# Altium PCB PCB1.PcbDoc
Units mil, origin at the board's own origin, x right, y up, seen from the top; angles counter-clockwise.
Board outline 5905.51 x 3150 mil, 2 copper layers (Top Layer, Bottom Layer); 83 components, 88 nets, 317 pads, 133 vias.
Unrouted connection lines stored in the file: 1.
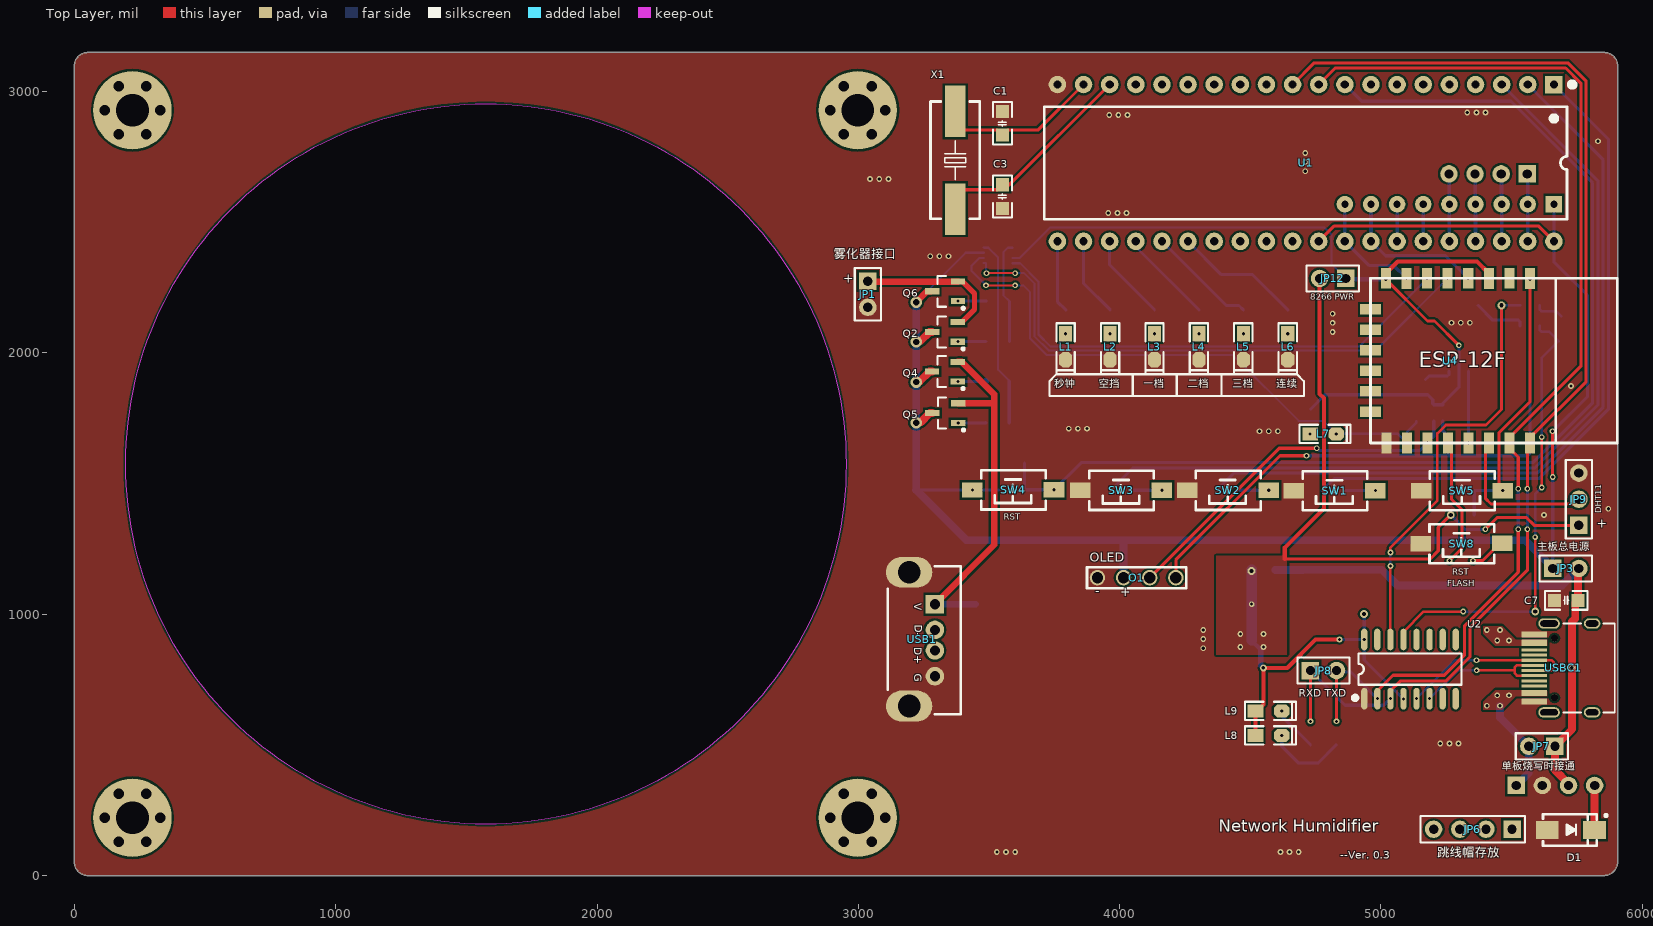
[diagram p0: Top Layer view]
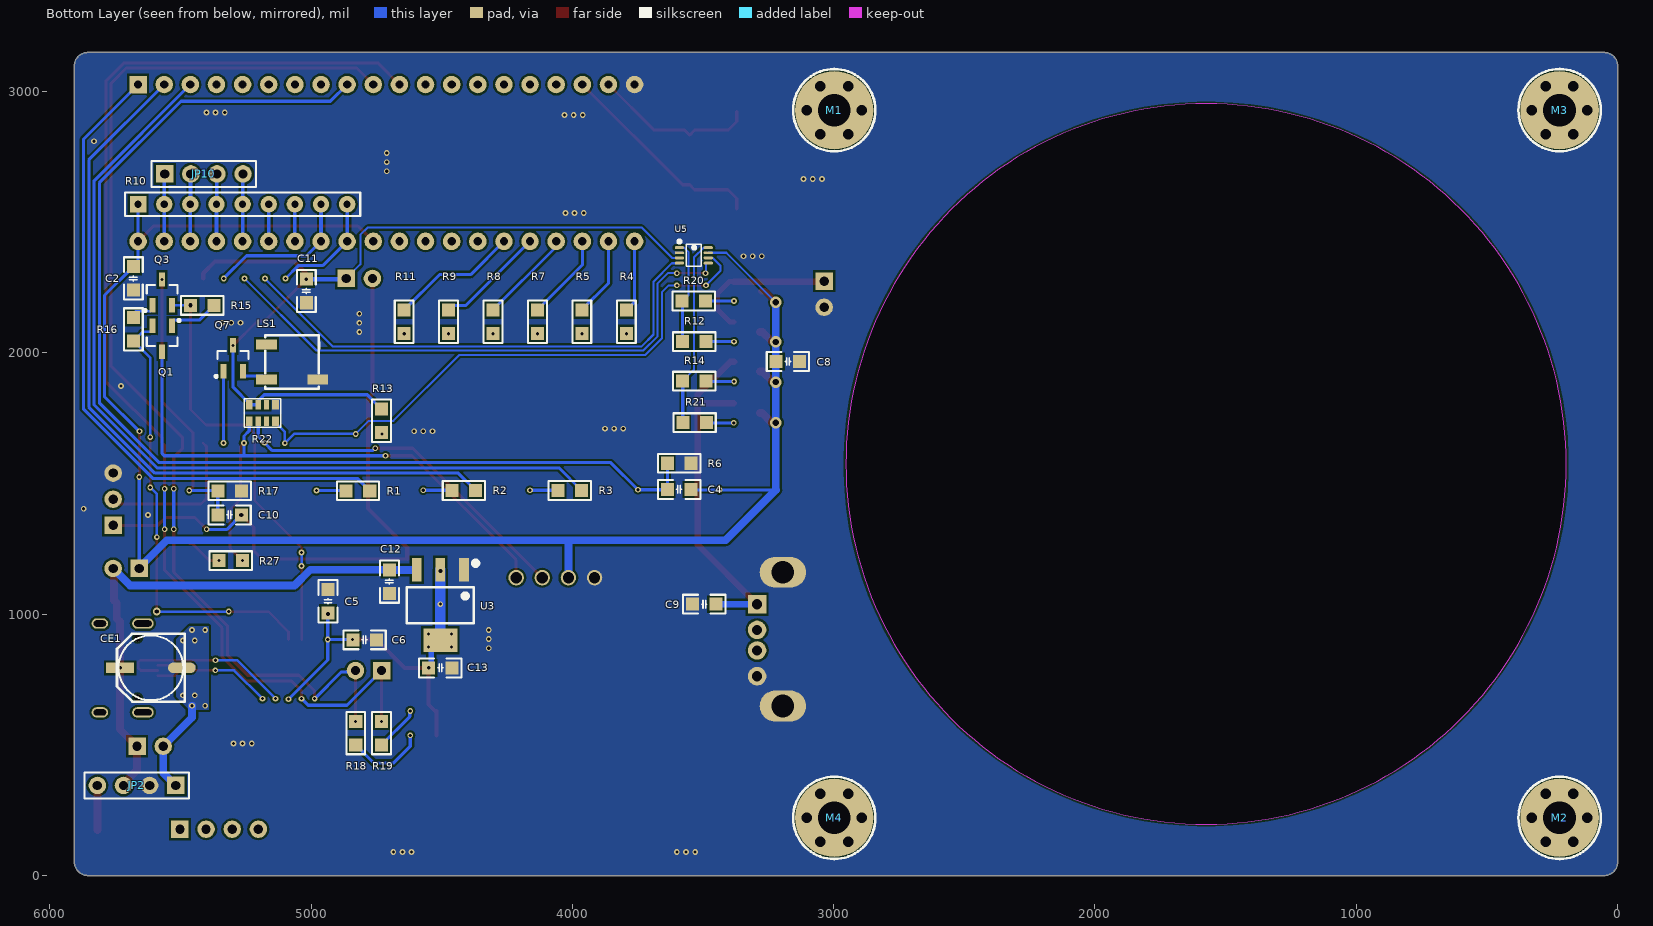
[diagram p1: Bottom Layer view, seen from below]

## Layer stack, top to bottom
Top Solder: solder mask 0.4, Solder Resist, Dk 3.5
Top Layer: signal copper 1.4
Dielectric 1: dielectric 12.6, FR-4, Dk 4.8
Bottom Layer: signal copper 1.4
Bottom Solder: solder mask 0.4, Solder Resist, Dk 3.5

## Board outline
50,0 cw(c50,50) 0,50 0,3099.61 cw(c50,3099.61) 50,3149.61 50.39,3150 5855.12,3150 5855.51,3149.61 cw(c5855.51,3099.61) 5905.51,3099.61 5905.51,50.21 5905.3,50 cw(c5855.3,50) 5855.3,0
cut-out: 1574.8,196.42 cw(c1574.8,1574.8) 196.42,1574.8 cw(c1574.8,1574.8) 1574.8,2953.18 cw(c1574.8,1574.8) 2953.18,1574.8 cw(c1574.8,1574.8)
cut-out: 1575,2953

## Design rules (kind name [scope] priority, off if disabled: settings)
Clearance [All] p1: gap=8 ignorepadtopadclearanceinfootprint=FALSE except(6: SMDPad-SMDPad)
PolygonConnect [All] p1: connectstyle=Direct reliefconductorwidth=12 reliefentries=4 polygonreliefangle="90 Angle" airgapwidth=12
RoutingVias [All] p1: holewidth=12 width=22 viastyle="Through Hole" minholewidth=12 minwidth=22 maxholewidth=28 maxwidth=56
SolderMaskExpansion [All] p1: expansion=4
Width [All] p1: maxlimit=40 minlimit=8 preferedwidth=12
30 further rules are at their usual default settings.

## Components (designator, comment, footprint, x,y, rotation, side; value= is the part's Value field where it differs from the comment)
C1 "30pf" "C 0805_M" 3551.3,2878.35 r90 top
C2 "104" "C 0805_M" 5680,2285 r90 bottom
C3 "30pf" "C 0805_M" 3551.3,2598.35 r270 top
C4 "106" "C 0805_M" 3591.3,1477.64 r180 bottom
C5 "104" "C 0805_M" 4935,1049.61 r270 bottom
C6 "104" "C 0805_M" 4795,902.11 r0 bottom
C7 "104" "C 0805_M" 5708.66,1053.15 r0 top
C8 "104" "C 0805_M" 3175,1967 r0 bottom
C9 "104" "C 0805_M" 3495,1038.43 r180 bottom
C10 "106" "C 0805_M" 5311.66,1380 r180 bottom
C11 "104" "C 0805_M" 5018,2237 r90 bottom
C12 "104" "C 0805_M" 4700,1125 r270 bottom
C13 "104" "C 0805_M" 4505,794.61 r180 bottom
CE1 "100uF" "CM D(6.3*7.7)" 5612.46,795 r0 bottom
D1 "SS34" SMA 5726.3,174.61 r0 top
JP1 "HDR-1X2" HDR2.54-LI-2P 3036.3,2224.61 r270 top
JP2 "HDR-1X4" HDR2.54-LI-4P 5667.57,344.61 r0 bottom
JP3 "HDR-1X2" HDR2.54-LI-2P 5707.04,1175 r0 top
JP6 "HDR-1X4" HDR2.54-LI-4P 5351.39,177.17 r180 top
JP7 "HDR-1X2" HDR2.54-LI-2P 5615.58,494.61 r180 top
JP8 "HDR-1X2" HDR2.54-LI-2P 4780,784.29 r0 top
JP9 "HDR-1X3" HDR2.54-M-LI-3P 5757.04,1440 r90 top
JP10 "HDR-1X4" HDR2.54-LI-4P 5410,2685 r180 bottom
JP12 "HDR-1X2" HDR2.54-LI-2P 4815,2284.95 r180 top
L1 "LED" "LED 0805B" 3793.26,2023.45 r270 top
L2 "LED" "LED 0805R" 3963.26,2023.45 r270 top
L3 "LED" "LED 0805R" 4133.26,2023.45 r270 top
L4 "LED" "LED 0805R" 4303.26,2023.45 r270 top
L5 "LED" "LED 0805R" 4473.26,2023.45 r270 top
L6 "LED" "LED 0805G" 4643.26,2023.45 r270 top
L7 "LED" "LED 0805G" 4778.79,1690 r0 top
L8 "LED" "LED 0805G" 4570,536.43 r0 top
L9 "LED" "LED 0805G" 4570,630 r0 top
LS1 "BUZZ" MLT-5020-1 5072.03,1965 r180 bottom
M1 "M3" M3X20_N 2997.71,2928.79 r180 bottom
M2 "M3" M3X20_N 222.12,220.82 r180 bottom
M3 "M3" M3X20_N 222.12,2928.79 r180 bottom
M4 "M3" M3X20_N 2997.71,220.82 r180 bottom
O1 "OLED" OLED 3915,1140 r0 top
Q1 "S8050" SOT23-3M 5569.59,2104 r0 bottom
Q2 "SS8050" SOT23-3M 3381.08,2080.32 r90 top
Q3 "S8050" SOT23-3M 5569.6,2182 r180 bottom
Q4 "SS8050" SOT23-3M 3380.76,1928.33 r90 top
Q5 "SS8050" SOT23-3M 3382.06,1769.75 r90 top
Q6 "SS8050" SOT23-3M 3381.3,2235.72 r90 top
Q7 "SS8050" SOT23-3M 5297.95,1930 r180 bottom
R1 "4.7K" "R 0805_M" 4820.3,1472.32 r180 bottom
R2 "4.7K" "R 0805_M" 4414.74,1473.66 r180 bottom
R3 "4.7K" "R 0805_M" 4009.74,1473.66 r180 bottom
R4 "10K" "R 0805_M" 3793.44,2119.45 r90 bottom
R5 "10K" "R 0805_M" 3963.44,2119.45 r90 bottom
R6 "10K" "R 0805_M" 3591.3,1577.64 r0 bottom
R7 "10K" "R 0805_M" 4133.44,2119.45 r90 bottom
R8 "10K" "R 0805_M" 4303.44,2119.45 r90 bottom
R9 "10K" "R 0805_M" 4473.44,2119.45 r90 bottom
R10 "10K" "R SIP9-2.54" 5261.73,2569 r180 bottom
R11 "10K" "R 0805_M" 4643.44,2119.45 r90 bottom
R12 "1K" "R 0805_M" 3533.68,2042.92 r0 bottom
R13 "10K" "R 0805_M" 4730,1740 r90 bottom
R14 "1K" "R 0805_M" 3533.36,1891.86 r0 bottom
R15 "10K" "R 0805_M" 5416,2182 r0 bottom
R16 "10K" "R 0805_M" 5680,2090 r270 bottom
R17 "10K" "R 0805_M" 5310.9,1472.32 r0 bottom
R18 "10K" "R 0805_M" 4828.79,545 r270 bottom
R19 "10K" "R 0805_M" 4730,545 r270 bottom
R20 "1K" "R 0805_M" 3535,2198.21 r0 bottom
R21 "1K" "R 0805_M" 3532.3,1732.95 r0 bottom
R22 "10K" RCA-8P4R-0603 5186,1770 r180 bottom
R27 "4.7K" "R 0805_M" 5307.27,1205 r180 bottom
SW1 "3x6x5" "TSW SMD-3*6*2.5" 4821.47,1472.32 r180 top
SW2 "3x6x5" "TSW SMD-3*6*2.5" 4412.99,1473.66 r180 top
SW3 "3x6x5" "TSW SMD-3*6*2.5" 4004.52,1473.66 r180 top
SW4 "3x6x5" "TSW SMD-3*6*2.5" 3591.3,1475.43 r180 top
SW5 "3x6x5" "TSW SMD-3*6*2.5" 5308.74,1472.32 r180 top
SW8 "3x6x5" "TSW SMD-3*6*2.5" 5307.27,1270 r180 top
U1 "STC89C51RC" DIP40-600_MH 4711.73,2727.01 r270 top
U2 "CH340C" SOP16_M 5111,790 r90 top
U3 "LM1117" SOT223_M 4505,1035 r0 bottom
U4 "ESP-12F(ESP8266MOD)" ESP-12F_JX 5432.16,1970 r270 top
U5 "TXS0102DCURG4" VSSOP-8_L2.4-W2.1-P0.50-LS3.2-BL 3535,2373.26 r270 bottom
USB1 "USB" USB-A/S_D 3293,1038.43 r270 top
USBC1 "TYPE-C-31-M-12" USB-TYPE-C-R 5807.76,624.37 r90 top
X1 "12MHz" "OSC HC-49SMD" 3370.71,2737.4 r90 top

## Footprints (in the part's own frame and the unit in brackets; to place one, negate y for a bottom-side part, rotate by r counter-clockwise, add the part's x,y. Pads: shape width x height; smd on the part's side, far side on the other; paste and mask are expansions set on the pad)
"C 0805_M" [mil] "无极性贴片电容"
  rect 50x50 smd: 1(-45,0) 2(45,0)
  silkscreen extent -81,-36 81,36, body extent -39,-24 39,24, height 20
"CM D(6.3*7.7)" [mm] "贴片电解电容，直径6.3mm，高7.7mm"
  rect 2.7x1 smd: 1(3,0)
  oval 2.7x1 smd: 2(-3,0)
  silkscreen extent -3.3,-3.3 3.3,3.3, body extent -3.5,-3.3 3.5,3.3, height 7.7
DIP40-600_MH [mm] "带底座 52*15.2*4mm(长宽高)"
  rect 1.7x1.7 hole 0.8: 1(-7.62,24.13)
  round 1.7 hole 0.8: 2(-7.62,21.59) 3(-7.62,19.05) 4(-7.62,16.51) 5(-7.62,13.97) 6(-7.62,11.43) 7(-7.62,8.89) 8(-7.62,6.35) 9(-7.62,3.81) 10(-7.62,1.27) 11(-7.62,-1.27) 12(-7.62,-3.81) 13(-7.62,-6.35) 14(-7.62,-8.89) 15(-7.62,-11.43) 16(-7.62,-13.97) 17(-7.62,-16.51) 18(-7.62,-19.05) 19(-7.62,-21.59) 20(-7.62,-24.13) 21(7.62,-24.13) 22(7.62,-21.59) 23(7.62,-19.05) 24(7.62,-16.51) 25(7.62,-13.97) 26(7.62,-11.43) 27(7.62,-8.89) 28(7.62,-6.35) 29(7.62,-3.81) 30(7.62,-1.27) 31(7.62,1.27) 32(7.62,3.81) 33(7.62,6.35) 34(7.62,8.89) 35(7.62,11.43) 36(7.62,13.97) 37(7.62,16.51) 38(7.62,19.05) 39(7.62,21.59) 40(7.62,24.13)
  silkscreen extent -7.87,-25.4 5.46,26.16, body extent -8.9,-26.18 8.9,26.18, height 8.3
ESP-12F_JX [mil]
  rect 79x39 smd: 1(-314.95,137.75) 2(-315.05,59.2) 3(-314.95,-19.04) 4(-315,-98.45) 5(-315,-177.25) 6(-315,-255.95) 7(-314.95,-334.65) 8(-315,-413.45) 9(314.95,-410.77) 10(314.95,-332.43) 11(314.95,-254.08) 12(314.95,-175.73) 13(314.95,-97.39) 14(314.95,-19.04) 15(314.95,59.3) 16(314.95,137.65)
  rect 39x79 smd: 17(-196.7,-472.35) 17(-196.7,-472.35) 18(-118.35,-472.35) 19(-40.01,-472.35) 20(38.34,-472.35) 21(116.68,-472.35) 22(195.03,-472.35)
  silkscreen extent -315,-472 315,473
HDR2.54-LI-2P [mm]
  rect 1.7x1.7 hole 0.9: 1(-1.27,0)
  round 1.7 hole 0.9: 2(1.27,0)
  silkscreen extent -2.54,-1.27 2.54,1.27, body extent -2.54,-1.27 2.54,1.27, height 8.5
HDR2.54-LI-4P [mm] "排针，4脚"
  rect 1.7x1.7 hole 0.9: 1(-3.81,0)
  round 1.7 hole 0.9: 2(-1.27,0) 3(1.27,0) 4(3.81,0)
  silkscreen extent -5.08,-1.27 5.08,1.27, body extent -5.08,-1.27 5.08,1.27, height 8.5
HDR2.54-M-LI-3P [mm] "排母，3脚"
  rect 1.7x1.7 hole 0.9: 1(-2.54,0)
  round 1.7 hole 0.9: 2(0,0) 3(2.54,0)
  silkscreen extent -3.81,-1.27 3.81,1.27, body extent -3.81,-1.27 3.81,1.27, height 8.5
"LED 0805B" [mil] "蓝色0805LED https://item.taobao.com/item.htm?ft=t&id=613637044352"
  rect 60x50 smd: 1(-50,0)
  oct 60x50 smd: 2(50,0)
  silkscreen extent -90,-35 105,35, body extent -39,-25 39,25, height 32
"LED 0805G" [mil] "绿色0805LED https://item.taobao.com/item.htm?ft=t&id=613637044352"
  rect 60x50 smd: 1(-50,0)
  oct 60x50 smd: 2(50,0)
  silkscreen extent -90,-35 105,35, body extent -39,-25 39,25, height 32
"LED 0805R" [mil] "红色0805LED   淘宝ID:小糖豆的小窝窝"
  rect 60x50 smd: 1(-50,0)
  oct 60x50 smd: 2(50,0)
  silkscreen extent -90,-35 105,35, body extent -39,-25 39,25, height 32
M3X20_N [mil] "M3铜柱，长：20mm"
  round 40 hole 40: 1(-106,0) 1(-53,-91.8) 1(-53,91.8) 1(53,-91.8) 1(53,91.8) 1(106,0)
  round 300 hole 125: 1(0,0)
  silkscreen extent -157,-157 157,157, body extent -106,-93 106,93, height 789
MLT-5020-1 [mm]
  rect 2x1 smd: 1(-2.5,-1.7) 2(2.5,-1.7) 3(-2.5,1.7)
  silkscreen extent -2.6,-2.6 2.6,2.6
OLED [mm]
  round 1.5 hole 1.1: 1(0,0) 2(2.54,0) 3(5.08,0) 4(7.62,0)
  silkscreen extent -1.02,-1.02 8.64,1.02
"OSC HC-49SMD" [mm] "淘宝ID:小糖豆的小窝窝"
  rect 5x2 smd: 1(-4.75,0) 2(4.75,0)
  silkscreen extent -5.7,-2.4 5.7,2.4, body extent -6.5,-2.32 6.5,2.33, height 4.63
"R 0805_M" [mil] "1/8W贴片电阻"
  rect 50x50 smd: 1(-45,0) 2(45,0)
  silkscreen extent -81,-36 81,36, body extent -39,-25 39,25, height 20
"R SIP9-2.54" [mm] "22.6mm*5mm*2.2mm(长*宽*厚)"
  rect 1.6x1.6 hole 0.7: 1(-10.16,0)
  round 1.6 hole 0.7: 2(-7.62,0) 3(-5.08,0) 4(-2.54,0) 5(0,0) 6(2.54,0) 7(5.08,0) 8(7.62,0) 9(10.16,0)
  silkscreen extent -11.43,-1.14 11.43,1.14, body extent -11.31,-0.96 11.31,0.96, height 5.2
RCA-8P4R-0603 [mm] "3.2mm*1.6mm*0.6mm(长*宽*厚)"
  rect 0.65x0.9 smd: 1(-1.28,-0.8) 4(1.28,-0.8) 5(1.28,0.8) 8(-1.28,0.8)
  rect 0.5x0.9 smd: 2(-0.4,-0.8) 3(0.4,-0.8) 6(0.4,0.8) 7(-0.4,0.8)
  silkscreen extent -1.78,-1.4 1.78,1.4, body extent -1.6,-0.8 1.6,0.8, height 0.6
SMA [mm] "4.5x2.6*2.2mm（长宽高，不包括引脚）"
  rect 2.2x1.75 smd: 1(-2.3,0) 2(2.3,0)
  silkscreen extent -2.7,-1.52 3.56,1.52, body extent -2.53,-1.3 2.58,1.3, height 2.15
SOP16_M [mm] "10.3*6.2*1.8mm（长宽高）"
  oval 2.1x0.6 smd: 1(-2.875,4.445) 2(-2.875,3.175) 3(-2.875,1.905) 4(-2.875,0.635) 5(-2.875,-0.635) 6(-2.875,-1.905) 7(-2.875,-3.175) 8(-2.875,-4.445) 9(2.875,-4.445) 10(2.875,-3.175) 11(2.875,-1.905) 12(2.875,-0.635) 13(2.875,0.635) 14(2.875,1.905) 15(2.875,3.175) 16(2.875,4.445)
  silkscreen extent -2.95,-5 1.52,5.49, body extent -3,-5 3,5, height 1.9
SOT23-3M [mm] "3x1.3x1mm(长宽高)"
  rect 0.6x1.4 smd: 1(-0.95,0) 2(0.95,0) 3(0,2.514)
  silkscreen extent -1.78,-0.63 1.5,1.97, body extent -1.5,0.07 1.5,2.47, height 1.05
SOT223_M [mm] "6.4x7x1.6mm(长宽高)"
  rect 0.95x2.3 smd: 1(-2.3,-3.429) 2(0,-3.429) 3(2.3,-3.429)
  rect 3.3x2.3 smd: 2(0,3.429)
  silkscreen extent -3.63,-4.26 3.25,1.75, body extent -3.25,-3.51 3.25,3.51, height 1.65
"TSW SMD-3*6*2.5" [mm] "3*6*2.5mm"
  rect 2x1.5 smd: 1(-3.996,-0.02) 2(3.937,0)
  silkscreen extent -3.21,-1.9 3.09,1.9, body extent -4,-1.88 4,1.62, height 2.59
USB-A/S_D [mm] "A型直插母头"
  rect 1.8x1.8 hole 1: 1(0,0)
  round 1.8 hole 1: 2(2.5,0) 3(4.5,0) 4(7,0)
  oval 3x4.5 hole 2.2: 4(-3.1,-2.5) 4(9.9,-2.5)
  silkscreen extent -3.7,-4.6 10.7,2.5, body extent -3.71,-4.6 10.69,2.5, height 14
USB-TYPE-C-R [mm]
  oval 1x2.1 hole 0.6 slot 1.7 at 90 deg: 0(0,4.18) 0(8.64,4.18)
  oval 1x1.6 hole 0.6 slot 1.2 at 90 deg: 0(0,0) 0(8.64,0)
  rect 0.6x2.5 smd: A1(1.07,5.625) A4(1.87,5.625) A9(6.77,5.625) A12(7.57,5.625)
  rect 0.3x2.5 smd: A5(3.07,5.625) A6(4.07,5.625) A7(4.57,5.625) A8(5.57,5.625) B5(6.07,5.625) B6(5.07,5.625) B7(3.57,5.625) B8(2.57,5.625)
  round 0.65 hole 0.65 slot 0.655 at 90 deg: G(1.43,3.65) G(7.21,3.65)
  silkscreen extent -0.01,-2.2 8.64,2.79
VSSOP-8_L2.4-W2.1-P0.50-LS3.2-BL [mm]
  oval 0.28x0.905 smd: 1(-0.75,-1.403) 2(-0.25,-1.403) 3(0.25,-1.403) 4(0.75,-1.403) 5(0.75,1.403) 6(0.25,1.403) 7(-0.25,1.403) 8(-0.75,1.403)
  silkscreen extent -1.49,-1.55 1.08,0.72

## Part data
C1 C2 C3 C4 C5 C6 C7 C8 C9 C10 C11 C12 C13: library part C, "贴片电容"
CE1: library part CE_SMD, "贴片电解电容"
D1: "肖特基二极管"
JP1 JP3 JP7 JP8 JP12: library part "Header 2", "2P接插件", BOM名称=2P接, 下单链接=https://item.taobao.com/item.htm?ft=t&id=613637044, 淘宝ID=小糖豆
JP2 JP6 JP10: library part "Header 4", "4P接插件", BOM名称=4P接, 下单链接=https://item.taobao.com/item.htm?ft=t&id=613637044, 淘宝ID=小糖豆
JP9: library part "Header 3", "3P接插件", BOM名称=3P接, 下单链接=https://item.taobao.com/item.htm?ft=t&id=613637044, 淘宝ID=小糖豆
L1 L2 L3 L4 L5 L6 L7 L8 L9: "发光二极管"
LS1: "蜂鸣器", BOM名称=蜂, 下单链接=https://item.taobao.com/item.htm?ft=t&id=613637044, 淘宝ID=小糖豆
M1 M2 M3 M4: "铜柱孔", BOM名称=ͭ, 下单链接=https://item.taobao.com/item.htm?ft=t&id=613637044, 淘宝ID=小糖豆
Q1 Q2 Q3 Q4 Q5 Q6 Q7: library part 8050-SMD, "高频放大-NPN型"
R1 R2 R3 R4 R5 R6 R7 R8 R9 R11 R12 R13 R14 R15 R16 R17 R18 R19 R20 R21 R27: library part R, "贴片电阻"
  R1 R2 R3 R4 R5 R6 R7 R8 R9 R11 R12 R13 R14 R15 R16 R17 R18 R19 R27: BOM名称=ÌùÆ, 下单链接=https://item.taobao.com/item.htm?ft=t&id=613637044, 淘宝ID=小糖豆
  R20 R21: BOM名称=贴片电阻, 下单链接=https://item.taobao.com/item.htm?ft=t&id=613637044352, 淘宝ID=小糖豆的小窝窝
R10: library part "R SIP9", "9脚直插排阻", BOM名称=9脚直, 下单链接=https://item.taobao.com/item.htm?ft=t&id=613637044, 淘宝ID=小糖豆
R22: library part R-8P4R, "贴片排阻", BOM名称=贴片排阻, 下单链接=https://item.taobao.com/item.htm?ft=t&id=613637044352, 淘宝ID=小糖豆的小窝窝
SW1 SW2 SW3 SW4 SW5 SW8: library part "TSW 3x6", "3x6轻触开关"
U1: "STC单片机", Alias1=https://item.taobao.com/item.htm?ft=t&id=613637044352, BOM名称=STC单, 淘宝ID=小糖豆
U2: BOM_LCSC Assembly=Yes, BOM_Manufacturer=WCH, BOM_Manufacturer Part=CH340C, BOM_Supplier=LCSC, BOM_Supplier Part=C84681, SMT Type=Extend, spicePre=U, spiceSymbolName=CH340C
U3: "三端稳压芯片"
U4: BOM_JLCPCB Part Class="Extended Part", BOM_Manufacturer=Ai-Thinker, BOM_Manufacturer Part=ESP-12F(ESP8266MOD), BOM_Supplier=LCSC, BOM_Supplier Part=C82891, spicePre=U, spiceSymbolName=ESP-12F(ESP8266MOD)
U5: "电平转换", BOM_JLCPCB Part Class="Extended Part", BOM_Manufacturer=TI(德州仪器), BOM_Manufacturer Part=TXS0102DCURG4, BOM_Supplier=LCSC, BOM_Supplier Part=C2677454, Contributor=LCSC, spicePre=U, spiceSymbolName=TXS0102DCURG4
USB1: library part USB-A/S, "USB-A型母接口"
USBC1: "Type-C母座", BOM_Manufacturer="Rectangular Connectors - Contacts", BOM_Manufacturer Part=TYPE-C-31-M-12, BOM_Supplier=LCSC, BOM_Supplier Part=C165948, Contributor=LCSC, spicePre=U, spiceSymbolName=TYPE-C-31-M-12
X1: library part XTAL-2P, "2脚无源脚晶振"

## Via types
v1: diameter 22, hole 12, Top Layer to Bottom Layer, tented both sides, 111 vias
v2: diameter 22, hole 12, Top Layer to Bottom Layer, 11 vias
v3: diameter 30, hole 16, Top Layer to Bottom Layer, tented both sides, 5 vias
v4: diameter 44, hole 24, Top Layer to Bottom Layer, tented both sides, 4 vias
v5: diameter 26, hole 14, Top Layer to Bottom Layer, tented both sides, 2 vias

## Nets (pads, with @x,y where several pads share a name; then routed paths per layer and width w, separated by ;. In a path a pad name is that pad's centre, name@x,y a point inside that pad or via, vN(x,y) a via of type N, cw(c..) or ccw(c..) an arc to the next point about the centre after c; other vN are vias at no path point)
3V3: C11.2 JP12.1 Q7.3 R13.2 R22.7 R22.8 U4.3 U4.8 U5.3 | length 3286.8
  Top Layer w12: v1(5018,2282) 5178,2122 5204.92,2122 v2(5297.95,2028.97)
  Top Layer w16: U4.8 5018.71,2304.68 5064.02,2350 5367.14,2350 5412.46,2304.68 U4.3@5412.46,2285
  Bottom Layer w8: U5.3 3618.41,2363.41 3735,2480 4782.45,2480 4810.89,2451.56 4810.89,2339.06 JP12.1
  Bottom Layer w12: R13.2 4785,1840 5179.11,1840 5197.91,1821.2 5197.91,1805.34 R22.7 R22.8 5236.39,1806.42 5297.95,1867.97 v2(5297.95,2028.97)
  Bottom Layer w16: JP12.1 4867.95,2282 v1(5018,2282)
+3.3V: C5.2 C6.2 C10.2 C13.1 JP9.1 JP12.2 L8.1 L9.1 U2.4 U2.16 U3.2 | length 3936.1
  Top Layer w12: 4632,1211 5187.74,1211 5219.08,1242.34 5219.08,1332.42 v3(5266.66,1380) ; v2(5399.43,1325) 5444.43,1370 5555.99,1370 5585.99,1340 JP9.1
  Top Layer w16: L8.1 L9.1 4525,630 4550,655 v5(4550,794.61) 4641.25,794.61 4749.83,903.19 v1(4841.08,903.19) ; 4632,1211 4632,1254.99 4781.31,1404.3 4781.31,1826.95 4765,1843.27 JP12.2
  Bottom Layer w12: v1(4841.08,903.19) v1(4936,903.19) ; C5.2@4936,1003.61 v1(4936,903.19) ; v1(5086,675) 4936,825 v1(4936,903.19) ; v3(5266.66,1380) 5323.1,1323.56 5398,1323.56 v2(5399.43,1325)
  Bottom Layer w16: U3.2@4505,900 U3.2@4540,865 ; C13.1@4540,804.61 v5(4550,794.61)
  Bottom Layer w20: C13.1@4540,804.61 U3.2@4540,865
  Bottom Layer w25: C5.2 C5.2@4936,1003.61
  Bottom Layer w40: U3.2@4505,900 v1(4505,1038.43) v3(4505,1165) U3.2@4505,1170
  other v1: 4461.73,875 4550,875 4461.73,924.61 4550,924.61
  other v3: 4935,1001.03
BEEP: Q7.1 U4.13 | length 275.2
  Bottom Layer w12: v1(5334.77,1655.05) 5335.09,1655.36 5335.09,1929.73 Q7.1
"BT V+": 
"BT V-": 
D_N: U2.6 USBC1.A7 USBC1.B7 | length 549.7
  Top Layer w10: v1(5366.01,785.29) 5511.3,785.29 ; USBC1.B7 5520.67,764.92 5511.3,774.29 5511.3,785.29 ; USBC1.A7 5519.29,804.29 5511.3,796.3 5511.3,785.29
  Bottom Layer w10: v1(5186,676.81) 5294.74,785.55 5365.75,785.55 v1(5366.01,785.29)
D_P: U2.5 USBC1.A6 USBC1.B6 | length 689.3
  Top Layer w10: v1(5365,823.98) USBC1.B6 5651.93,823.98 5661.3,814.61 5661.3,794.61 5651.3,784.61 USBC1.A6
  Bottom Layer w10: v1(5136,676.81) 5283.17,823.98 v1(5365,823.98)
Data: JP9.2 U4.14 | length 591.3
  Top Layer w12: U4.14 5399.43,1641.37 5399.43,1443.37 5420.8,1422 5739.04,1422 JP9.2
DTR: Q1.2 R16.2 U2.13 | length 1744.5
  Top Layer w10: U2.13 5086,932.72 5163.28,1010 v1(5315,1010) ; v3(5590,1010) v1(5590,1295) ; v1(5615,1485) v1(5615,1677.68)
  Bottom Layer w10: v1(5315,1010) v3(5590,1010) ; v1(5590,1295) 5590,1460 v1(5615,1485) ; Q1.2 5607,2088.25 5613.81,2081.44 5643.56,2081.44 R16.2 5615,1980 v1(5615,1677.68)
Fan: C9.2 Q4.2 Q5.2 USB1.1 | length 1382.8
  Top Layer w25: USB1.1 3520,1265.43 3520,1775.36 3520,1808.11 ; Q4.2 3395.13,1965.73 3520,1840.86 3520,1808.11 ; Q5.2 Q5.2 3488.28,1807.08 3518.97,1807.08 3520,1808.11
  Bottom Layer w25: USB1.1 C9.2
GND: C1.2 C2.1 C3.2 C5.1 C6.1 C7.1 C8.1 C9.1 C11.1 C12.2 C13.2 CE1.2 D1.1 JP1.2 JP2.2 JP9.3 L1.2 L2.2 L3.2 L4.2 L5.2 L6.2 LS1.2 O1.1 R6.1 R17.1 R22.5 SW1.2 SW2.2 SW3.2 SW5.2 SW8.2 U1.20 U2.1 U3.1 U4.9 U5.2 USB1.4 USBC1.A1 USBC1.A12
  other v1: 3530,90 3565,90 3600,90 4615,90 4650,90 4685,90 5226.73,505.43 5261.73,505.43 5296.73,505.43 4320,870 4320,905 4320,940 5624.11,1380 5870,1403.78 4535.31,1700 4570.31,1700 4605.31,1700 3805,1710 3840,1710 3875,1710 5727.47,1873 4815.09,2080 4815.09,2115 5270,2115.47 5305,2115.47 5340,2115.47 4815.09,2150 3275,2370 3310,2370 3345,2370 3956.31,2535 3991.31,2535 4026.31,2535 3045,2665 3080,2665 3115,2665 4710,2695 4710,2730 4710,2765 5830,2810 3960,2910 3995,2910 4030,2910 5330,2920 5365,2920 5400,2920
IO0: O1.4 Q1.3 R22.1 R27.2 U4.12 | length 2614.7
  Top Layer w12: O1.4 4215,1207.83 4613.36,1606.19 v1(4715,1606.19) ; v2(5256.43,1655.05) 5269.93,1641.55 5269.93,1440.07 5310,1400 5310,1252.73 v1(5262.27,1205)
  Bottom Layer w12: v1(4715,1606.19) 5258,1606.19 ; R22.1 5236.39,1701.97 5256.43,1681.94 v2(5256.43,1655.05) 5256.57,1654.91 5256.57,1607.62 5258,1606.19 ; Q1.3 5569.6,1614.41 5561.38,1606.19 5258,1606.19
IO2: O1.3 R22.2 U4.11 | length 1376.1
  Top Layer w12: O1.3 4610,1635 v1(4754.18,1635)
  Bottom Layer w12: v1@4755.8,1635 4764.61,1626.19 5147.74,1626.19 v1(5178,1656.45) 5201.75,1680.2 R22.2
  Bottom Layer w16: v1(4754.18,1635) v1@4755.8,1635
IO12: U4.6 U5.4 | length 1945.1
  Bottom Layer w8: U5.4 3590.8,2343.15 3618.92,2343.15 3689.46,2272.61 3689.46,2070.54 3735,2025 4917.97,2025 5176.21,2283.24 v2(5176.21,2285)
IO12-5: R12.2 R20.2 U5.1 | length 394.4
  Bottom Layer w8: R20.2@3578.68,2196.89 3555,2220.57 3555,2384.95 3572.25,2402.21 3589.64,2402.21 U5.1
  Bottom Layer w12: R12.2 R20.2@3578.68,2196.89
IO13: R10.9 U1.32 U4.7 | length 436.6
  Bottom Layer w12: U1.32 4953.74,2335 5047.46,2335 v1(5097.51,2284.95)
  Bottom Layer w14: U1.32 R10.9
IO14: U4.5 U5.5 | length 2167.8
  Top Layer w8: v2(3490,2305) v2(3600,2305)
  Bottom Layer w8: U5.5 3487.65,2343.73 3489.04,2342.33 3489.04,2305.96 v2(3490,2305) ; v2(3600,2305) 3634.44,2305 3673.46,2265.98 3673.46,2063.91 3728.37,2009 4978.91,2009 v2(5254.91,2285)
IO14-5: R14.2 R21.2 U5.8 | length 720.4
  Bottom Layer w8: U5.8 3480.36,2402.21 3497.75,2402.21 3535,2364.95 3535,1935.21 R14.2@3577.3,1892.91
  Bottom Layer w12: R21.2 R14.2@3577.3,1892.91
IO15: L7.2 R22.4 U4.10 U5.6 | length 2221.1
  Top Layer w8: v2(3488.28,2258.6) v2(3600,2258.6)
  Bottom Layer w8: U5.6 3479.2,2362.83 3461.82,2362.83 3433.31,2334.33 3433.31,2313.57 v2(3488.28,2258.6) ; v2(3600,2258.6) 3631.4,2258.6 3656.46,2233.54 3656.46,2056.87 3721.33,1992 4433,1992 4685,1740 4778.79,1740 v1(4828.79,1690)
  Bottom Layer w10: v1(4828.79,1690) 5064.54,1690 v1(5100,1654.54) 5100,1697.98 5135.61,1733.58 R22.4
IO16: R10.8 U1.33 U4.4 | length 572.8
  Bottom Layer w12: U1.33 5017.06,2371.68 5247.03,2371.68 v1(5333.71,2285)
  Bottom Layer w14: U1.33 R10.8
LED1: JP10.1 R10.2 U1.39 | length 258.7
  Bottom Layer w10: JP10.1 JP10.1@5561.73,2683.27
  Bottom Layer w14: U1.39 R10.2 JP10.1@5561.73,2683.27
LED2: JP10.2 R10.3 U1.38 | length 258.7
  Bottom Layer w10: JP10.2 JP10.2@5460.87,2684.13 ; R10.3@5460.87,2569.87 R10.3
  Bottom Layer w14: R10.3@5460.87,2569.87 JP10.2@5460.87,2684.13 ; U1.38 R10.3
LED3: JP10.3 R10.4 U1.37 | length 258.7
  Bottom Layer w10: JP10.3 JP10.3@5360.87,2684.13 ; R10.4@5360.87,2569.87 R10.4
  Bottom Layer w14: R10.4@5360.87,2569.87 JP10.3@5360.87,2684.13 ; U1.37 R10.4
LED4: JP10.4 R10.5 U1.36 | length 258.7
  Bottom Layer w10: JP10.4 JP10.4@5260.87,2684.13 ; R10.5@5260.87,2569.87 R10.5
  Bottom Layer w14: R10.5@5260.87,2569.87 JP10.4@5260.87,2684.13 ; U1.36 R10.5
"MB V+": 
NetD1_2: D1.2 JP2.4 | length 170.3
  Top Layer w30: D1.2 5817.21,174.96 5817.21,344.25 JP2.4
NetL1_1: L1.1 R4.1
  other v1: 3793.26,2073.45
NetL2_1: L2.1 R5.1
  other v1: 3963.26,2073.45
NetL3_1: L3.1 R7.1
  other v1: 4133.26,2073.45
NetL4_1: L4.1 R8.1
  other v1: 4303.26,2073.45
NetL5_1: L5.1 R9.1
  other v1: 4473.26,2073.45
NetL6_1: L6.1 R11.1
  other v1: 4643.26,2073.45
NetL7_1: L7.1 R13.1
  other v1: 4727.84,1690
NetL8_2: L8.2 R18.2 | length 306.1
  Bottom Layer w12: v1(4620,536.43) 4620,495 4685,430 4758.79,430 R18.2
NetL9_2: L9.2 R19.2 | length 175.6
  Bottom Layer w12: v1(4620,630) 4621.91,628.09 4621.91,608.09 R19.2
NetL10_1: 
NetL11_1: 
NetL12_1: 
NetL13_1: 
NetL14_1: 
NetL15_1: 
NetL16_1: 
NetL17_1: 
NetL18_1: 
NetL19_1: 
NetL20_1: 
NetL21_1: 
NetL22_1: 
NetL23_1: 
NetL24_1: 
NetL25_1: 
NetLS1_1: LS1.1 Q7.2 | length 110.6
  Bottom Layer w12: LS1.1 5184.13,1911.76 5254.74,1911.76 5260.55,1917.57 Q7.2
NetQ1_1: Q1.1 R15.1 | length 202.7
  Bottom Layer w12: R15.1 5427.44,2125.56 5526.38,2125.56 5532.19,2119.75 Q1.1
NetQ2_1: Q2.1 R12.1 | length 107.6
  Bottom Layer w12: v1(3381.08,2042.92) R12.1
NetQ3_1: Q3.1 R16.1 | length 109.3
  Bottom Layer w10: Q3.1 5607,2166.81 5613.81,2160 5670,2160 R16.1@5690,2140
NetQ4_1: Q4.1 R14.1 | length 108
  Bottom Layer w12: v1(3380.76,1890.93) R14.1@3487.43,1890.93
  Bottom Layer w25: R14.1@3487.43,1890.93 R14.1
NetQ5_1: Q5.1 R21.1 | length 105.5
  Bottom Layer w12: v2(3382.06,1732.35) 3486.7,1732.35 R21.1
NetQ6_1: Q6.1 R20.1 | length 108.7
  Bottom Layer w12: v2(3381.3,2198.32) 3489.9,2198.32 R20.1
NetR1_1: R1.1 SW1.1 | length 113.8
  Bottom Layer w12: R1.1 4866.08,1473.1 v1(4978.79,1473.1)
NetR2_1: R2.1 SW2.1 | length 110.9
  Bottom Layer w12: R2.1 4460.53,1474.44 v1(4570.31,1474.44)
NetR3_1: R3.1 SW3.1 | length 107.4
  Bottom Layer w12: R3.1 4055.53,1474.44 v1(4161.83,1474.44)
NetR10_6: R10.6 U1.35 | length 142
  Bottom Layer w14: U1.35 R10.6
NetR10_7: R10.7 U1.34 | length 142
  Bottom Layer w14: U1.34 R10.7
NetR25_1: 
NetR26_1: 
NetR27_1: R27.1 SW8.1 | length 139.6
  Top Layer w12: v1(5352.27,1205) 5352.65,1205.38 5389.34,1205.38 5454.74,1270.79 SW8.1
P1.0: R1.2 U1.1 | length 2552.9
  Bottom Layer w12: R1.2 4822.98,1520 5605.7,1520 5870,1784.3 5870,2818.74 U1.1
P1.1: R2.2 U1.2 | length 2966.2
  Bottom Layer w12: R2.2 4436.08,1540 5597.41,1540 5850,1792.59 5850,2738.74 U1.2
P1.2: R3.2 U1.3 | length 3379.5
  Bottom Layer w12: R3.2 4051.08,1560 5589.13,1560 5830,1800.87 5830,2658.74 U1.3
P1.3: U1.4
P1.4: U1.5
P2.0: R4.2 U1.21 | length 275.7
  Bottom Layer w12: U1.21 3761.73,2196.16 R4.2
P2.1: R5.2 U1.22 | length 304.7
  Bottom Layer w12: U1.22 3861.73,2266.16 R5.2
P2.2: R7.2 U1.23 | length 333.7
  Bottom Layer w12: U1.23 3961.73,2336.16 R7.2
P2.3: R8.2 U1.24 | length 362.7
  Bottom Layer w12: U1.24 4072.24,2416.5 4072.24,2395.65 R8.2
P2.4: R9.2 U1.25 | length 420.5
  Bottom Layer w12: U1.25 4407.29,2181.45 4456.44,2181.45 R9.2
P2.5: R11.2 U1.26 | length 490.5
  Bottom Layer w12: U1.26 4389.38,2299.36 4508.53,2299.36 R11.2
"PB V+": 
RST-12F: C10.1 Q3.3 R17.2 SW5.1 U4.1 | length 1070.5
  Top Layer w12: v1(5466.05,1473.1) 5450.91,1488.25 5450.91,1693.29 5569.91,1812.29 U4.1
  Bottom Layer w12: C10.1 5356.66,1471.56 R17.2 5356.69,1473.1 v1(5466.05,1473.1)
  other v1: 5569.59,2280.97
RST-51: C4.1 R6.2 SW4.1 U1.9 | length 4357.7
  Bottom Layer w12: R6.2 C4.1 3637.72,1476.22 v1(3748.61,1476.22) 3852.39,1580 5580.85,1580 5810,1809.15 5810,2650.46 5497.46,2963 4925.74,2963 U1.9
RTS: Q3.2 R15.2 U2.14 | length 1615.9
  Top Layer w10: U2.14 5036.07,903.26 5036.07,1184.93 v1(5036.15,1185) ; v1(5036.15,1236.15) 5036.15,1254.96 5215.8,1434.61 5215.8,1691.81 5248.25,1724.25 5401.67,1724.25 5461,1783.59 v3(5461,2182)
  Bottom Layer w10: v1(5036.15,1185) v1(5036.15,1236.15) ; v3(5461,2182) Q3.2
RXD-340: JP8.1 R19.1 U1.11 U2.3 U4.16 | length 4527.6
  Top Layer w12: U1.11 4744.72,3110 5715,3110 5785,3040 5785,1890.24 5569.81,1675.05 U4.16 5560,1645.24 v1(5560,1480) ; v1(4730,590) JP8.1 ; v1(5036,676.81) 5036,706.34 5073.55,743.89 5247.64,743.89 5340,836.25 5340,947.92 5560,1167.92 v1(5560,1325)
  Bottom Layer w12: JP8.1 4862.48,651.81 5011,651.81 v1(5036,676.81) ; v1(5560,1325) v1(5560,1480)
TXD-340: JP8.2 R18.1 U1.10 U2.2 U4.15 | length 4264.8
  Top Layer w12: U1.10 4824.72,3090 5706.72,3090 5765,3031.72 5765,1948.59 5491.46,1675.05 U4.15 5491.46,1635.05 5525,1601.51 v1(5525,1480) ; v1(4830,590) JP8.2 ; v1(4986,676.81) 4986,706.34 5046.05,766.39 5241.86,766.39 5320,844.53 5320,956.2 5525,1161.2 5525,1321.12 v1@5525.18,1321.3
  Bottom Layer w12: JP8.2 4835.65,778.64 4884.17,778.64 v1(4986,676.81) ; v1(5525,1480) 5525.09,1479.91 5525.09,1325.09 v1(5525.18,1325)
VCC: C2.2 C4.2 C8.2 JP3.1 O1.2 Q2.3 Q4.3 Q5.3 Q6.3 R10.1 SW4.2 U1.31 U1.40 U5.7 | length 6844.2
  Top Layer w12: U1.31 4819.72,2485 5603.74,2485 U1.40 ; v1(5655.85,1700) 5656.43,1699.42 5656.43,1525.58 v1(5657.02,1525)
  Top Layer w25: v4(3221.3,2193.92) 3262.96,2235.58 Q6.3@3277.33,2235.58
  Top Layer w30: v4(3221.08,1732.95) 3223.76,1735.63 3239.59,1735.63 3273.71,1769.76 Q5.3 ; v4(3221.3,1888.35) 3223.98,1891.03 3235.11,1891.03 3272.42,1928.33 Q4.3 ; v4(3221.3,2041.86) 3223.98,2044.53 3236.95,2044.53 3272.74,2080.33 Q2.3
  Bottom Layer w8: v4(3221.3,2193.92) 3410.48,2383.1 U5.7
  Bottom Layer w12: 3221.3,1475.43 v1(3436.3,1475.43) 3544.09,1475.43 C4.2 ; v1(5655.85,1700) 5657.64,1700 5790,1832.36 5790,2220 C2.2 5661.73,2348.27 U1.40 R10.1 ; JP3.1 5657.02,1177.98 v1(5657.02,1525)
  Bottom Layer w30: 3221,1475.43 3413.52,1282.91 4015,1282.91 ; 3221.3,1475.43 v4(3221.3,1888.35) v4(3221.3,2041.86) v4(3221.3,2193.92) ; O1.2 4015,1282.91 ; JP3.1 5658.52,1176.48 5657.02,1177.98 5552.09,1282.91 5455.79,1282.91 4700,1282.91 4015,1282.91
VIn: C7.2 C12.1 CE1.1 JP2.1 JP2.3 JP3.2 JP7.1 JP7.2 U3.3 USBC1.A4 USBC1.A9 | length 2477.7
  Top Layer w30: JP2.3 5717.57,351.59 5665.58,403.58 JP7.1 5731.3,560.33 5731.3,971.75 5743.66,984.12 5743.66,1043.15 C7.2 5753.74,1053.23 JP3.2@5753.74,1180
  Bottom Layer w30: U3.3 4596.24,1169.31 C12.1@4700,1169.31 ; C12.1 5003.07,1170 5063.07,1110 5692.04,1110 JP3.2 ; v1(5455,649.61) 5455,605.18 JP7.2 5565.58,392.62 JP2.1
  other v1: 5405,649.61 5445,689.61 5490,689.61 5445,899.61 5490.04,899.61 5405,939.61 5455,939.61
  other v5: 5730.57,795
Water: JP1.1 Q2.2 Q6.2 | length 573.5
  Top Layer w20: JP1.1 JP1.1@3037.79,2273.12 ; Q2.2 3396.83,2117.73 3445,2165.89 3445,2227.22 3399.1,2273.12 Q6.2
  Top Layer w25: JP1.1@3037.79,2273.12 Q6.2
XTAL1: C1.1 U1.19 X1.2 | length 631.6
  Top Layer w12: X1.2 3370.71,2885.72 3404.08,2852.35 3532.3,2852.35 C1.1 3570.3,2852.35 3687.07,2852.35 U1.19
XTAL2: C3.1 U1.18 X1.1 | length 812.2
  Top Layer w12: X1.1 3370.71,2590.98 3404.08,2624.35 3532.3,2624.35 C3.1 3578.07,2643.35 U1.18
pads on no net: JP6.1 JP6.2 JP6.3 JP6.4 LS1.3 M1.1 M2.1 M3.1 M4.1 R22.3 R22.6 U1.6 U1.7 U1.8 U1.12 U1.13 U1.14 U1.15 U1.16 U1.17 U1.27 U1.28 U1.29 U1.30 U2.7 U2.8 U2.9 U2.10 U2.11 U2.12 U2.15 U4.2 U4.17 U4.18 U4.19 U4.20 U4.21 U4.22 USB1.2 USB1.3 USBC1.0 USBC1.A5 USBC1.A8 USBC1.B5 USBC1.B8 USBC1.G

## Polygon pours and split planes (outlines as drawn)
GND on Top Layer "Top Layer-GND" (solid, pour order 92): 50,3149.61 ccw(c50,3099.61) 0,3099.61 0,50 ccw(c50,50) 50,0 5855.3,0 ccw(c5855.3,50.21) 5905.51,50.21 5905.51,3099.61 ccw(c5855.51,3099.61) 5855.51,3149.61
VIn on Top Layer "Top Layer-VIn" (solid, pour order 89): 5635.75,879.61 5436.3,879.61 5391.3,924.61 5391.3,954.61 5464.09,954.61 5516.09,902.61 5635.75,902.61
+3.3V on Top Layer "Top Layer-+3.3V" (solid, pour order 91): 4370,1222.9 4370,845.22 4640,845.22 4640,1222.9
no net on Top Layer "Top Layer-No Net" (solid, pour order 88): 5204.96,535
VIn on Top Layer "Top Layer-VIn 1" (solid, pour order 90): 5635.75,709.61 5436.3,709.61 5391.3,664.61 5391.3,634.61 5464.41,634.61 5516.41,686.61 5635.75,686.61
GND on Bottom Layer "Bottom Layer-GND" (solid, pour order 94): 50,3149.61 ccw(c50,3099.61) 0,3099.61 0,50 ccw(c50,50) 50,0 5855.3,0 ccw(c5855.3,50.21) 5905.51,50.21 5905.51,3099.61 ccw(c5855.51,3099.61) 5855.51,3149.61
VIn on Bottom Layer "Bottom Layer-VIn" (solid, pour order 93): 5466.3,634.61 5516.3,684.61 5516.3,904.61 5466.3,954.61 5391.3,954.61 5391.3,634.61

## Silkscreen, mask and mechanical layers (free items; w line width, h text height)
Top Overlay:
  lines w8: 4050.07,1835.26 4050.07,1918.45 ; 4218.26,1835.26 4218.26,1918.45 ; 4390.07,1835.26 4390.07,1918.45 ; 4678.26,1918.45 3758.26,1918.45 3757.96,1918.45 3731.51,1892 3731.51,1835.26 3758.26,1835.26 4678.26,1835.26 4705.01,1835.26 4705.01,1892 4678.56,1918.45
  text "雾化器接口" at 2905,2350 h60
  text "+" at 2942,2257 h60
  text "8266 PWR" at 4729,2196 h40
  text "ESP-12F" at 5145,1945 h60
  text "空挡" at 3920.07,1859.18 h50
  text "秒钟" at 3750.07,1859.01 h50
  text "一档" at 4090.07,1858.83 h50
  text "二档" at 4260.07,1858.83 h50
  text "三档" at 4430.07,1858.83 h50
  text "连续" at 4600.07,1858.66 h50
  text "DHT11" at 5850,1387 h40 r90
  text "RST" at 3557.03,1353 h40
  text "+" at 5825,1320 h60
  text "主板总电源" at 5597.04,1235 h50
  text "RST" at 5273,1143 h40
  text "FLASH" at 5253,1099 h40
  text "-" at 3907,1062 h60
  text "+" at 4003,1057 h60
  text "RXD" at 4685.4,684.23 h30
  text "TXD" at 4785.4,684.23 h30
  text "单板烧写时接通" at 5461.73,395 h50
  text "Network Humidifier" at 4379.92,151.57 h80
  text "跳线帽存放" at 5215,60 h60
  text "--Ver. 0.3" at 4845,55 h50
Mechanical 1:
  circle w10: c1574.8,1574.8 r1378.38
  lines w10: 50,3149.61 ccw(c50,3099.61) 0,3099.61 0,50 ccw(c50,50) 50,0 5855.3,0 ccw(c5855.3,50) 5905.3,50 ; 50.39,3150 1652.41,3150 5855.12,3150 ; 1546.03,2952.79 cw(c1574.8,1574.8) 1559,2953 ; 5855.51,3149.61 cw(c5855.51,3099.61) 5905.51,3099.61 5905.51,50.21

## Dimensions
0,50 to 5905.3,50 on Mechanical 1
50,3149.61 to 50,0 on Mechanical 1

## Text inside footprints (layer, text, board x,y; h text height)
USB1: Top Overlay "V" at 3214,1042.83 h30 r270; Top Overlay "G" at 3214,771.83 h30 r270; Top Overlay "D+" at 3213,873.83 h30 r270; Top Overlay "D-" at 3215,959.83 h30 r270